# KiCad board Beacon_Multiboard_Stencil.kicad_pcb (continued)
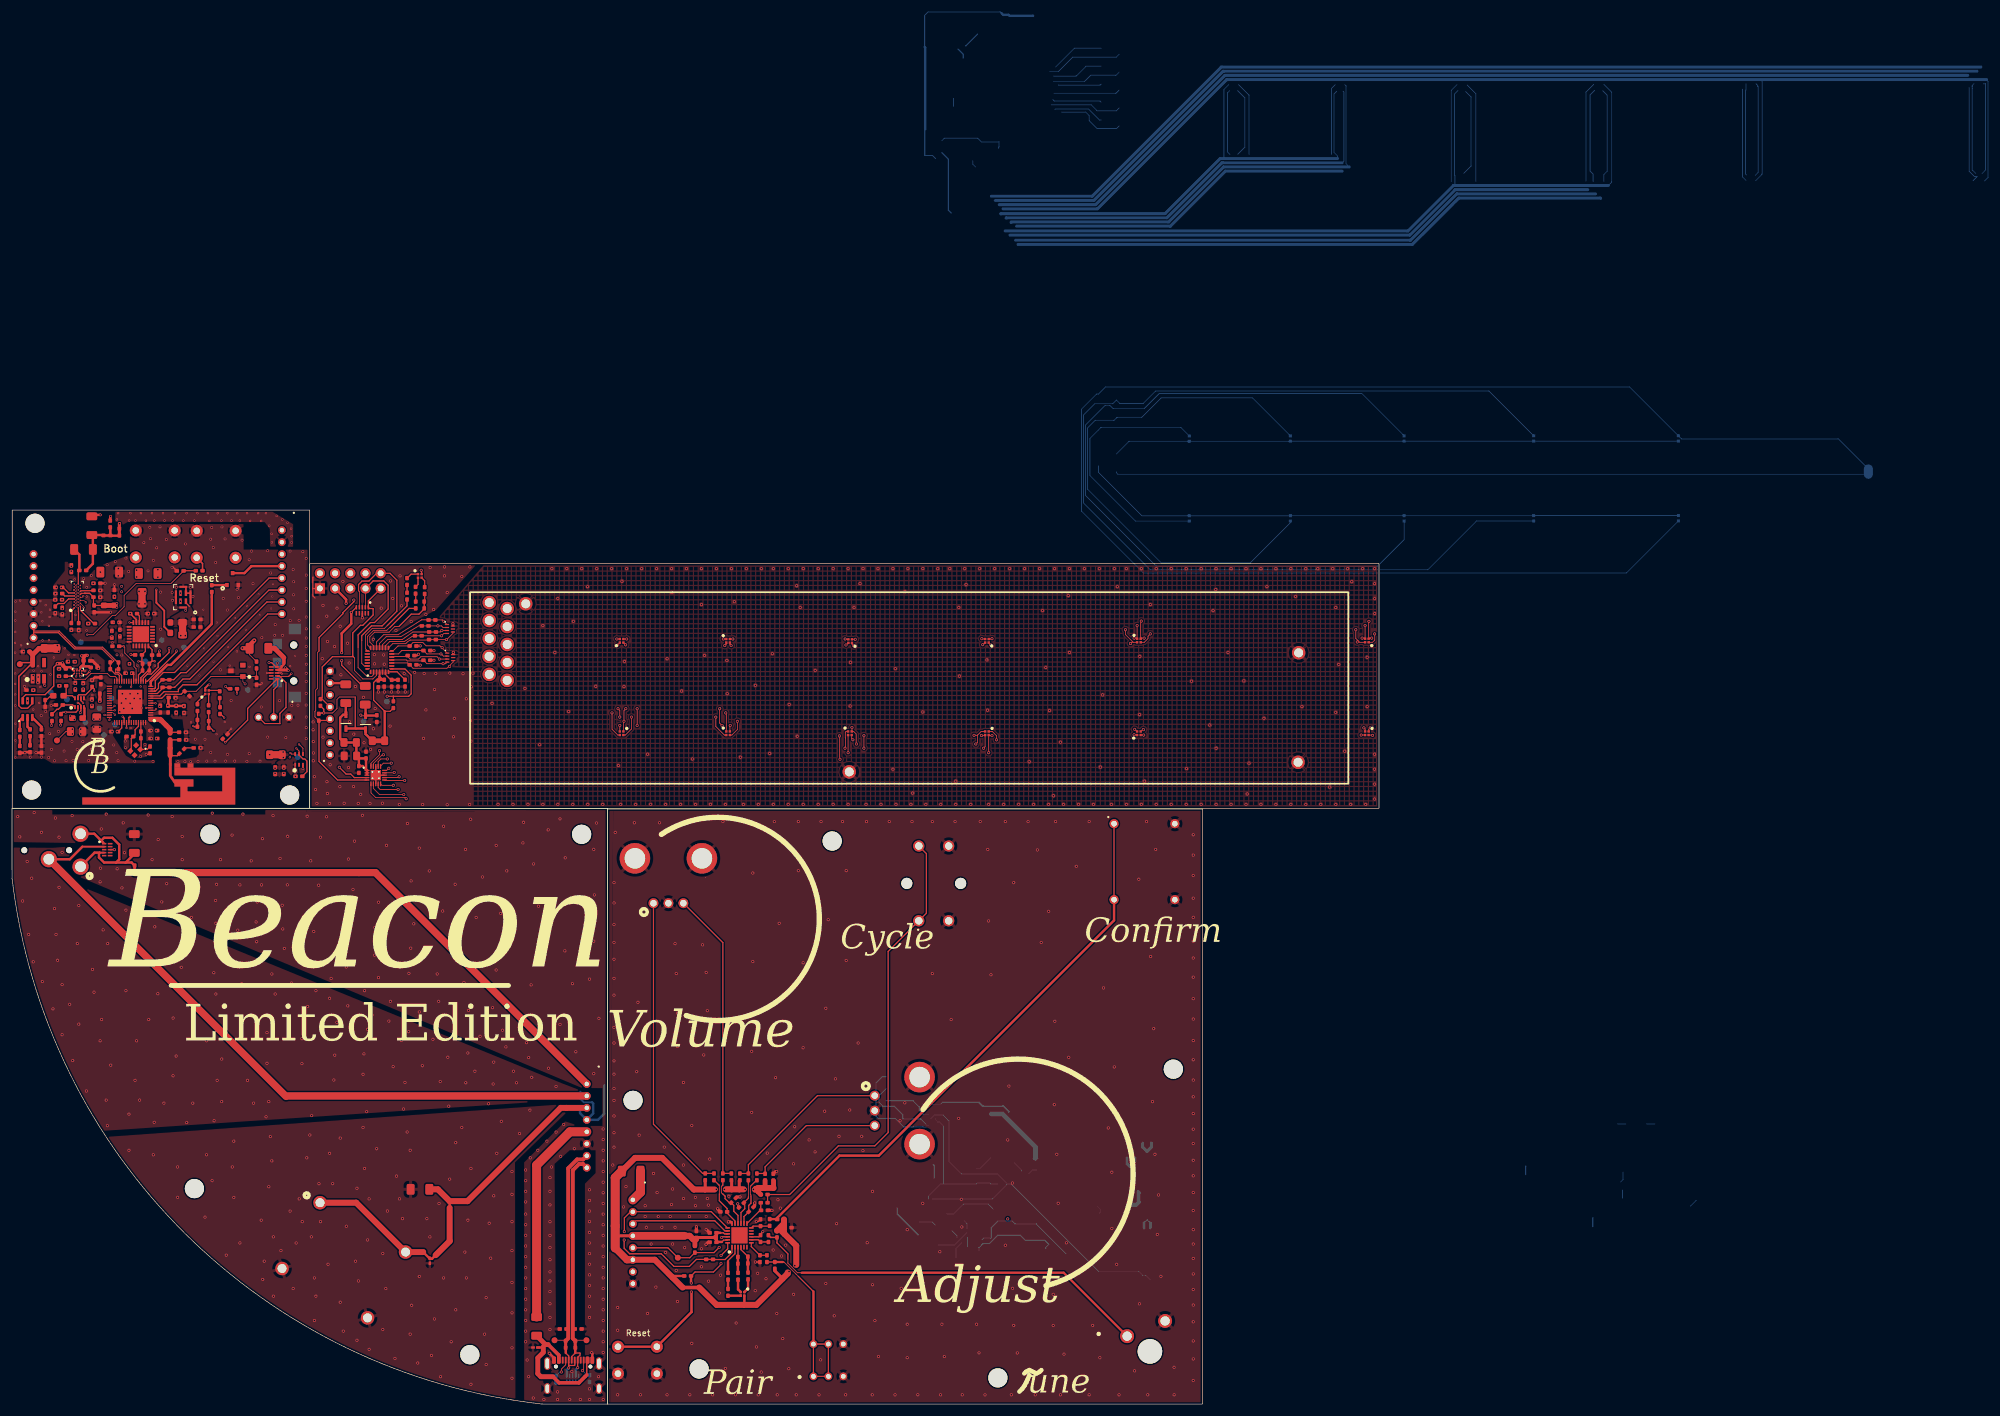
[diagram p0: board, top side]
## Placement (name value [footprint] x y rotation side) (continued)
TP705  I2S0_BCLK  [Testpoint_Pad_D1.0mm]  15.39 111.82 180 bottom
TP706  I2S0_MISO  [Testpoint_Pad_D1.0mm]  12.27 113.9 180 bottom
TP707  I2S0_MOSI  [Testpoint_Pad_D1.0mm]  14.63 116.29 180 bottom
TP708  I2C0_SCLK  [Testpoint_Pad_D1.0mm]  22.3 124.11 180 bottom
TP709  I2C0_SDA  [Testpoint_Pad_D1.0mm]  47.75 108.11 180 bottom
TP1001  IMU_INT  [Testpoint_Pad_D1.0mm]  21.13 128.48 180 bottom
TP1501  TACT_NINT  [Testpoint_Pad_D1.0mm]  111.28 24.45 0 top
U401  KTD20XXEUAC-TR  [UQFN-20-1EP_3x3mm_P0.4mm_EP1.7x1.7mm_ThermalVias]  60.8 105.08 0 top
U402  IQS525BLQNR  [QFN-28_4x4mm_P0.5mm]  61.42 124.37 90 top
U601  DA7212-01UM2  [DA721201UM2]  10.92 135.06 90 top
U701  ESP32-S3FH4R2  [QFN40P700X700X90-57N-D]  19.74 117.35 180 top
U1001  ICM-20689  [QFN50P400X400X95-25N-D]  21.54 128.65 180 top
U1101  LTR-303ALS  [LTR303ALS01]  47.98 107.73 90 top
U1501  KTS1622_EUAA  [TQFN44-24_4x4mm_P0.5mm_EP2.7x2.7mm]  121.58 28.2 90 top
Y701  40MHz-0706-4P  [XRCGB40M000F1S2FR0]  20.61 109.27 225 top

## Library data of the parts
C301-C303 C401-C413 C501-C509 C511-C514 C531-C534 C601-C619 C701-C711 C801-C804 C1001-C1005 C1101 C1102 C1201 C1202 C1501-C1503 = -: Description: Unpolarized capacitor, small symbol
C1401-C1408 = -: Description: Unpolarized capacitor, small symbol; Pagenumber: 12
D401-D412 D417 D801 D1501 = -: Description: RGB LED, 4 Pin
D413 D414 = -: Description: Diode, filled shape
D415 D504 D505 D507 = -: Description: ESD, Bidirectional, Low Capacitance, 5V
D416 D418 = -: Description: ESD Suppression, Unidirectional, 6 Channel, 0.27 pF
D501 = -: Description: RGB LED, 6 Pin
D502 = -: Description: ESD Suppression, 1 Channel, 5V5, Bidirectional, 4.5 pF
D503 = -: Description: Zener diode, small symbol
D506 = -: Description: ESD Suppression, 1 Channel, Bidirectional, 3V3, 12 pF
F201 F301 F401 F402 F501 F502 = -: Description: Fuse, small symbol
J101 J102 J104-J106 = -: Description: Generic connector, single row, 01x08, script generated
J404 = -: Description: Generic connector, double row, 02x05, odd/even pin numbering scheme (row 1 odd numbers, row 2 even numbers), script generated (kicad-library-utils/schlib/autogen/connector/)
J501 J509 = -: Description: Generic connector, single row, 01x03, script generated
J510 = -: Description: USB 2.0-only Type-C Receptacle connector
J513 = -: Description: Generic connector, single row, 01x02, script generated
L501 L701 L801 L802 = -: Description: Inductor
MK1201 = -: Description: MEMS Microphone, I2C
PS501 = -: Description: DC/DC Buck Converter, 600-mA, 3 to 17 V, Low IQ
PS502 = -: Description: Battery Controller, Power Path, I2C Controlled
PS503 = -: Description: 2.5V Fixed LDO, 300 mA, 5 pin SOT23
R401-R403 R405-R409 R501-R513 R515-R518 R701 R702 R801-R805 R1001 R1101 R1201 R1301 R1501-R1506 = -: Description: Resistor, small symbol
R1401-R1416 = -: Description: Resistor, small symbol; Pagenumber: 12
SW501 = -: Description: Switch, single pole double throw
SW801 SW802 SW1501 = -: Description: Push button switch, generic, two pins
SW1401-SW1404 = -: Description: Push button switch, generic, two pins; Pagenumber: 12
SW1405 SW1406 = -: Pagenumber: 12
U401 = -: Description: LED Driver, 36 Channels, Multiplexing, I2C
U402 = -: Description: Capacitive Touch Controller, 25 Channel,  QFN28
U601 = -: Description: Audio Codec, Analog Input, DSP, Headphone Amplifier
U701 = -: Description: RF MCU, 45 GPIO, 4 MB Flash, 2 MB PSRAM
U1001 = -: Description: MEMS IMU, 3-Axis ACC, 3-Axis Gyro
U1101 = -: Description: Ambient Light Sensor, I2C
U1501 = -: Description: IO Extender, 16 IO, I2C

## Footprints (pads in the part's own frame, mm; a bottom-side part is the same pattern mirrored in y, then rotated)
2.4GHz_Inverted_F_Antenna
  rect 0.46x0.46 smd: 1(-14.72,-6.68)
  rect 1x0.74 smd: 2(-18.1,-6.54) 2(-15.9,-6.54)
0201_0804Metric_Handsolder
  rrect 0.458x0.36 smd: (-0.442,-0.006) (0.423,-0.006)
  rrect 0.635x0.4 smd: 1(-0.416,-0.006) 2(0.399,-0.006)
0402_1005Metric_Handsolder
  rrect 0.735x0.62 smd: 1(-0.568,0) 2(0.568,0)
0402_CUT-N-JUMP
  rrect 0.735x0.62 smd: 1(-0.593,0.025) 2(0.542,0.025)
0603_1608Metric_Handsolder
  rrect 1.075x0.95 smd: 1(-0.863,-0.02) 2(0.863,-0.02)
0603_CUT-N-JUMP
  rrect 1.075x0.95 smd: 1(-0.875,0) 2(0.85,0)
0805_2012Metric_Handsolder
  rrect 1.175x1.45 smd: 1(-1.058,-0.02) 2(1.018,-0.02)
0805_CUT-N-JUMP
  rrect 1.175x1.45 smd: 1(-1.038,0) 2(1.038,0)
1206_3216Metric_Handsolder
  rrect 1.325x1.8 smd: 1(-1.583,0) 2(1.542,0)
A12AP
  round 1.3 hole 0.8: 1(-1.1,2.45) 2(-1.1,-0.09) 3(-1.1,-2.63)
B3J1100
  round 1.85 hole 1.85 unplated: (-2.25,4.15) (-2.25,-4.85)
  round 1.875 hole 1.25: 1(-8.5,2.15) 1(4,2.15) 2(-8.5,-2.85) 2(4,-2.85)
BGA8C40P2X4_104X159X50
  round 0.23 smd: A1(-0.2,0.6) A2(0.2,0.6) B1(-0.2,0.2) B2(0.2,0.2) C1(-0.2,-0.2) C2(0.2,-0.2) D1(-0.2,-0.6) D2(0.2,-0.6)
CLYBA-FKA-CFHHKL9BBB7a363
  rrect 1.2x0.45 smd: 1(-1.4,0.8) 2(-1.4,0) 3(-1.4,-0.8) 4(1.4,-0.8) 5(1.4,0) 6(1.4,0.8)
CONN_1x08_P2.00mm_Horizontal
  round 1.3 hole 0.75: 1(-7,0) 2(-5,0) 3(-3,0) 4(-1,0) 5(1,0) 6(3,0) 7(5,0) 8(7,0)
DA721201UM2
  round 0.27 smd: A1(-2,0.51) A3(-1.5,0.51) A5(-1,0.51) A7(-0.5,0.51) A9(0,0.51) A11(0.5,0.51) A13(1,0.51) A15(1.5,0.51) A17(2,0.51) B2(-1.75,0.17) B4(-1.25,0.17) B6(-0.75,0.17) B8(-0.25,0.17) B10(0.25,0.17) B12(0.75,0.17) B14(1.25,0.17) B16(1.75,0.17) C1(-2,-0.17) C3(-1.5,-0.17) C5(-1,-0.17) C7(-0.5,-0.17) C9(0,-0.17) C11(0.5,-0.17) C13(1,-0.17) C15(1.5,-0.17) C17(2,-0.17) D2(-1.75,-0.51) D4(-1.25,-0.51) D6(-0.75,-0.51) D8(-0.25,-0.51) D10(0.25,-0.51) D12(0.75,-0.51) D14(1.25,-0.51) D16(1.75,-0.51)
JF15CP2
  round 1.524 hole 0.95: 1(-5.08,6.35) 1(-5.08,-6.35) 2(5.08,6.35) 2(5.08,-6.35)
LEAF_17461421
  round 1.2 hole 1.2 unplated: (-3,0.625) (3,0.625)
  rect 1.8x1.5 smd: 1(-3.2,-2.125) 2(0,-2.125) 3(3.2,-2.125)
  rect 1.8x2.1 smd: 3(-5.7,0.775) 3(5.7,0.775)
LTR303ALS01
  rect 0.65x0.3 smd: 1(-0.9,0.65) 2(-0.9,0) 3(-0.9,-0.65) 4(0.9,-0.65) 5(0.9,0) 6(0.9,0.65)
MHPS2283N
  round 1.3 hole 0.8: 1(-2.5,2.5) 1(-2.5,-2.9) 1(0,2.5) 1(0,-2.9) 2(2.5,2.5) 2(2.5,-2.9)
Mounting_Hole_M3
  round 3.2 hole 3.2 unplated: (-0.04,-0.041)
MP34DT05TRA
  rect 0.4x0.95 smd: 1(-0.45,0.675) 2(-0.45,-0.675) 3(0.45,-0.675) 4(0.45,0.675)
  rect 0.35x2.3 smd: 5(-1.225,0) 5(1.225,0)
  rect 1.3x0.35 smd: 5(0,1.725) 5(0,-1.725)
MX1AC1NN
  round 4.1 hole 4.1 unplated: (0,0)
  round 2.324 hole 1.55: 1(-3.81,2.54) 2(2.54,5.08)
NYS2162U
  round 2.25 hole 1.5: 1(-8.4,6.25) 1(8.1,6.25) 2(-8.4,-6.45) 2(8.1,-6.45)
PAD_SMALL
  rrect 0.6x0.6 smd: 1(0,0)
PEC11R4215FN0024
  round 1.65 hole 1.1: A(-2.5,-7.55) B(2.5,-7.55) C(0,-7.55)
  round 5.1 hole 3.44: C(-5.6,-0.05) C(5.6,-0.05)
PESD4USB5BTBSX
  rect 0.25x0.725 smd: 1(-1,-0.487) 2(-0.5,-0.487) 3(0,-0.487) 4(0.5,-0.487) 5(1,-0.487)
  rect 0.25x0.775 smd: 6(1,0.512) 7(0.5,0.512) 8(0,0.512) 9(-0.5,0.512) 10(-1,0.512)
PinHeader_2x05_P2.54
  rect 1.7x1.7 hole 1: 1(-1.27,5.23)
  oval 1.7x1.7 hole 1: 2(1.27,5.23) 3(-1.27,2.69) 4(1.27,2.69) 5(-1.27,0.15) 6(1.27,0.15) 7(-1.27,-2.39) 8(1.27,-2.39) 9(-1.27,-4.93) 10(1.27,-4.93)
Plated_Hole_D1.5mm
  round 2.25 hole 1.5: 1(0,0)
PUSB3TB6AZ
  rect 0.7x0.2 smd: 1(-0.5,0.75) 2(-0.5,0.25) 3(-0.5,-0.25) 4(-0.5,-0.75) 5(0.5,-0.5) 6(0.5,0) 7(0.5,0.5)
QFN40P700X700X90-57N-D
  rect 0.85x0.2 smd: 1(-3.45,2.6) 2(-3.45,2.2) 3(-3.45,1.8) 4(-3.45,1.4) 5(-3.45,1) 6(-3.45,0.6) 7(-3.45,0.2) 8(-3.45,-0.2) 9(-3.45,-0.6) 10(-3.45,-1) 11(-3.45,-1.4) 12(-3.45,-1.8) 13(-3.45,-2.2) 14(-3.45,-2.6) 29(3.45,-2.6) 30(3.45,-2.2) 31(3.45,-1.8) 32(3.45,-1.4) 33(3.45,-1) 34(3.45,-0.6) 35(3.45,-0.2) 36(3.45,0.2) 37(3.45,0.6) 38(3.45,1) 39(3.45,1.4) 40(3.45,1.8) 41(3.45,2.2) 42(3.45,2.6)
  rect 0.2x0.85 smd: 15(-2.6,-3.45) 16(-2.2,-3.45) 17(-1.8,-3.45) 18(-1.4,-3.45) 19(-1,-3.45) 20(-0.6,-3.45) 21(-0.2,-3.45) 22(0.2,-3.45) 23(0.6,-3.45) 24(1,-3.45) 25(1.4,-3.45) 26(1.8,-3.45) 27(2.2,-3.45) 28(2.6,-3.45) 43(2.6,3.45) 44(2.2,3.45) 45(1.8,3.45) 46(1.4,3.45) 47(1,3.45) 48(0.6,3.45) 49(0.2,3.45) 50(-0.2,3.45) 51(-0.6,3.45) 52(-1,3.45) 53(-1.4,3.45) 54(-1.8,3.45) 55(-2.2,3.45) 56(-2.6,3.45)
  rect 4.05x4.05 smd: 57(0,0)
QFN50P400X400X95-25N-D
  rect 0.8x0.3 smd: 1(-1.95,1.25) 2(-1.95,0.75) 3(-1.95,0.25) 4(-1.95,-0.25) 5(-1.95,-0.75) 6(-1.95,-1.25) 13(1.95,-1.25) 14(1.95,-0.75) 15(1.95,-0.25) 16(1.95,0.25) 17(1.95,0.75) 18(1.95,1.25)
  rect 0.3x0.8 smd: 7(-1.25,-1.95) 8(-0.75,-1.95) 9(-0.25,-1.95) 10(0.25,-1.95) 11(0.75,-1.95) 12(1.25,-1.95) 19(1.25,1.95) 20(0.75,1.95) 21(0.25,1.95) 22(-0.25,1.95) 23(-0.75,1.95) 24(-1.25,1.95)
  rect 2.75x2.65 smd: EP(0,0)
QFN-28_4x4mm_P0.5mm
  custom 0.755x0.3 smd: 1(-1.99,1.49) 7(-1.99,-1.5) 15(1.99,-1.495) 21(1.99,1.495)
  rrect 0.875x0.3 smd: 2(-2.04,0.995) 3(-2.04,0.495) 4(-2.04,-0.005) 5(-2.04,-0.505) 6(-2.04,-1.005) 16(2.04,-1) 17(2.04,-0.5) 18(2.04,0) 19(2.04,0.5) 20(2.04,1)
  custom 0.3x0.745 smd: 8(-1.515,-1.985)
  rrect 0.3x0.875 smd: 9(-1.01,-2.04) 10(-0.51,-2.04) 11(-0.01,-2.04) 12(0.49,-2.04) 13(0.99,-2.04) 23(0.99,2.04) 24(0.49,2.04) 25(-0.01,2.04) 26(-0.51,2.04) 27(-1.01,2.04)
  custom 0.3x0.755 smd: 14(1.495,-1.99) 22(1.495,1.99) 28(-1.505,1.99)
SOD2512X115N
  rect 1.1x0.5 smd: 1(-1.15,0) 2(1.15,0)
SOT23-5_Handsoldering
  rect 1.56x0.65 smd: 1(-1.35,0.95) 2(-1.35,0) 3(-1.35,-0.95) 4(1.35,-0.95) 5(1.35,0.95)
SOT23_Handsolder
  rect 0.9x0.8 smd: 1(-1,0.95) 2(1,0) 3(-1,-0.95)
SOT-583-8
  rrect 0.67x0.3 smd: 1(-0.74,0.75) 2(-0.74,0.25) 3(-0.74,-0.25) 4(-0.74,-0.75) 5(0.74,-0.75) 6(0.74,-0.25) 7(0.74,0.25) 8(0.74,0.75)
STX3000
  round 1 hole 1 unplated: (-4.15,0) (3.35,0)
  round 2.704 hole 1.8: 1(5.25,-2.75) 2(-0.05,-1.5) 3(5.25,2.75)
SW_PUSH_6mm
  round 2 hole 1.1: 1(0,0) 1(6.5,0) 2(0,-4.5) 2(6.5,-4.5)
TBAT54CLM
  rect 0.7x0.6 smd: D(1.1,-0.1) G(-0.9,0.85) S(-0.9,-1.05)
Testpoint_Pad_D1.0mm
  round 1 smd: 1(0,0)
TOUCH_SENSE
  rect 0.5x0.5 smd: 1(-0.45,0) 2(0.45,0)
TQFN44-24_4x4mm_P0.5mm_EP2.7x2.7mm
  rrect 1.09x1.05 smd: (-0.675,0.65) (-0.675,-0.65) (0.675,0.65) (0.675,-0.65)
  rrect 0.8x0.27 smd: 1(-1.975,1.25) 2(-1.975,0.75) 3(-1.975,0.25) 4(-1.975,-0.25) 5(-1.975,-0.75) 6(-1.975,-1.25) 13(1.975,-1.25) 14(1.975,-0.75) 15(1.975,-0.25) 16(1.975,0.25) 17(1.975,0.75) 18(1.975,1.25)
  rrect 0.27x0.8 smd: 7(-1.25,-1.975) 8(-0.75,-1.975) 9(-0.25,-1.975) 10(0.25,-1.975) 11(0.75,-1.975) 12(1.25,-1.975) 19(1.25,1.975) 20(0.75,1.975) 21(0.25,1.975) 22(-0.25,1.975) 23(-0.75,1.975) 24(-1.25,1.975)
  rect 2.7x2.7 smd: EP(0,0)
UHD1110FKACL1A13r3q1BBQFMF3
  rect 0.4x0.4 smd: 1(-0.3,0.3) 2(-0.3,-0.3) 3(0.3,-0.3) 4(0.3,0.3)
UQFN-20-1EP_3x3mm_P0.4mm_EP1.7x1.7mm_ThermalVias
  rrect 0.8x0.8 smd: (-0.398,0.397) (-0.398,-0.403) (0.402,0.397) (0.402,-0.403)
  rrect 0.81x0.22 smd: 1(-1.473,0.807) 2(-1.473,0.407) 3(-1.473,0.007) 4(-1.473,-0.393) 5(-1.473,-0.793) 11(1.452,-0.793) 12(1.452,-0.393) 13(1.452,0.007) 14(1.452,0.407) 15(1.452,0.807)
  rrect 0.22x0.81 smd: 6(-0.808,-1.428) 7(-0.408,-1.428) 8(-0.008,-1.428) 9(0.392,-1.428) 10(0.792,-1.428) 16(0.792,1.472) 17(0.392,1.472) 18(-0.008,1.472) 19(-0.408,1.472) 20(-0.808,1.472)
  round 0.5 hole 0.3: EP(-0.559,0.559) EP(-0.559,-0.508) EP(0.508,0.559) EP(0.508,-0.508)
  rect 1.7x1.7 smd: EP(-0.01,0.022)
  rect 1.7x1.7 smd far side: EP(-0.01,0.022)
USB4105-GF-A
  round 0.65 hole 0.65 unplated: (-2.89,2.325) (2.89,2.325)
  rrect 0.6x1.15 smd: A1(-3.2,3.4) A4(-2.4,3.4) A9(2.4,3.4) A12(3.2,3.4) B1(3.2,3.4) B4(2.4,3.4) B9(-2.4,3.4) B12(-3.2,3.4)
  rrect 0.3x1.15 smd: A5(-1.25,3.4) A6(-0.25,3.4) A7(0.25,3.4) A8(1.25,3.4) B5(1.75,3.4) B6(0.75,3.4) B7(-0.75,3.4) B8(-1.75,3.4)
  oval 1x2.1 hole 0.6x1.7: S1(-4.32,2.825) S1(4.32,2.825)
  oval 1x1.8 hole 0.6x1.4: S1(-4.32,-1.355) S1(4.32,-1.355)
XRCGB40M000F1S2FR0
  rect 0.75x0.7 smd: 1(-0.3,0.15) 2(-0.3,-0.15) 2(0.3,0.15) 3(0.3,-0.15)

## Nets
/Audio_Board/+5V: F502.2 J105.5
/Fret_Assembly/+3V3: C303.2 C401.2 C402.2 D413.2 F401.2 J401.1 J401.2 U401.1 U401.2 U401.3
/Fret_Assembly/+3V3_DEBUG: D415.5 F402.1 J404.3
/Fret_Assembly/+3V3_EXT: F401.1 J102.7
/Fret_Assembly/+3V3_PROTECT: C403.2 C405.2 D413.1 D414.1 D417.4 J408.1 J408.2 R401.2 R402.2 R409.1 U402.4
/Main_Board/3V3_PG: C801.2 PS501.2 PS503.3 R505.1 R804.2 TP504.1
/Main_Board/+2V5: C534.2 C604.2 C605.2 C606.2 D501.4 J603.1 J603.2 PS503.5 R1201.1 TP509.1 U601.A11 U601.B6 U601.B14
/Main_Board/+3V3: C502.2 C503.2 C512.2 C533.2 C601.2 C602.2 C603.2 C701.2 C702.2 C703.2 C704.2 C705.2 C706.2 C708.2 C709.2 C1001.2 C1002.2 C1003.2 C1005.2 C1101.2 C1102.2 C1201.2 C1202.2 D501.5 D801.4 F201.2 J601.1 J601.2 J701.1 J701.2 J1001.1 J1001.2 J1101.1 J1101.2 J1201.1 J1201.2 L501.2 L701.1 MK1201.1 PS501.3 PS503.1 R501.2 R505.2 R507.2 R701.2 R702.2 R1001.1 R1101.2 R1201.2 TP501.1 U601.D10 U701.20 U701.29 U701.46 U701.55 U701.56 U1001.8 U1001.9 U1001.13 U1101.1
/Main_Board/+3V3_EXT: F201.1 J101.3
/Main_Board/+5V: C504.2 D501.6 J106.4 PS502.A2
/Main_Board/MCU/VDD3P3: C707.2 L701.2 U701.2 U701.3
/Main_Board/Regulators/3V3_EN: C507.1 D507.1 PS501.7 R508.2 SW501.2
/Tactile_Board/+3V3: C301.2 C302.2 C1501.2 C1502.2 C1503.2 D1501.4 F301.2 J104.4 J104.6 R1401.1 R1402.1 R1403.1 R1404.1 R1409.1 R1410.2 R1411.1 R1412.2 R1501.2 R1502.2 U1501.21 U1501.23
/Tactile_Board/+3V3_EXT: F301.1 J104.1
GND: AE801.2 C301.1 C302.1 C303.1 C401.1 C402.1 C403.1 C404.1 C405.1 C406.1 C407.1 C408.1 C409.1 C410.1 C411.1 C412.1 C413.1 C501.1 C502.1 C503.1 C504.1 C505.1 C506.1 C507.2 C508.1 C509.2 C511.1 C512.1 C513.1 C514.2 C531.1 C532.1 C533.1 C534.1 C601.1 C602.1 C603.1 C604.1 C605.1 C606.1 C609.2 C610.2 C611.2 C612.2 C614.1 C615.1 C616.1 C617.1 C618.1 C619.1 C701.1 C702.1 C703.1 C704.1 C705.1 C706.1 C707.1 C708.1 C709.1 C710.1 C711.1 C801.1 C802.1 C803.1 C804.1 C1001.1 C1002.1 C1003.1 C1004.1 C1005.1 C1101.1 C1102.1 C1201.1 C1202.1 C1401.1 C1402.1 C1403.1 C1404.1 C1405.1 C1406.1 C1407.1 C1408.1 C1501.1 C1502.1 C1503.1 D415.3 D415.8 D416.7 D418.7 D502.2 D503.2 D504.3 D504.8 D505.3 D505.8 D506.2 D507.3 D507.8 H425.1 H426.1 H427.1 H428.1 J101.2 J102.8 J104.8 J105.4 J105.6 J106.3 J106.5 J404.1 J410.1 J410.2 J501.3 J502.1 J502.2 J510.A1 J510.A12 J510.B1 J510.B12 J510.S1 J513.2 MK1201.2 MK1201.5 PS501.5 PS502.D2 PS503.2 Q1301.S R503.1 R504.1 R508.1 R510.1 R511.1 R515.1 R516.1 R517.1 R518.1 SW501.1 SW801.2 SW802.2 SW1401.2 SW1402.2 SW1403.2 SW1404.2 SW1405.C SW1406.C SW1501.2 U401.8 U401.13 U401.18 U401.EP U402.5 U601.A13 U601.B2 U601.B10 U701.57 U1001.11 U1001.18 U1101.3 U1501.9 U1501.18
/Audio_Board/AUDIO_GND_SEN: D504.2 J105.2 J509.2
/Audio_Board/AUDIO_HP: C509.1 D504.1 D504.4 J105.1 J503.1 J503.2 J509.1 J509.3
/Audio_Board/AUDIO_SP: C514.1 D506.1 J105.3 J505.1 J505.2 J513.1
/Audio_Board/USB_DN: C531.2 D505.1 J105.7 J508.1 J508.2 J510.A7 J510.B7 TP507.1
/Audio_Board/USB_DP: C532.2 D505.4 J105.8 J510.A6 J510.B6 J511.1 J511.2 TP508.1
/Fret_Assembly/BLED: R408.1 U402.22
/Fret_Assembly/GLED: R406.1 U402.21
/Fret_Assembly/I2C1_SCLK: D415.1 J102.5 J404.9 R401.1 U401.4 U402.3
/Fret_Assembly/I2C1_SDA: D415.2 J102.4 J404.7 R402.1 U401.5 U402.2
/Fret_Assembly/LEDA1: D401.3 D402.2 D403.1 D404.4 U401.6
/Fret_Assembly/LEDA2: D401.2 D402.1 D403.4 D404.3 U401.7
/Fret_Assembly/LEDA3: D401.1 D402.4 D403.3 D404.2 U401.9
/Fret_Assembly/LEDA4: D401.4 D402.3 D403.2 D404.1 U401.10
/Fret_Assembly/LEDB1: D405.3 D406.2 D407.1 D408.4 U401.11
/Fret_Assembly/LEDB2: D405.2 D406.1 D407.4 D408.3 U401.12
/Fret_Assembly/LEDB3: D405.1 D406.4 D407.3 D408.2 U401.14
/Fret_Assembly/LEDB4: D405.4 D406.3 D407.2 D408.1 U401.15
/Fret_Assembly/LEDC1: D409.3 D410.2 D411.1 D412.4 U401.16
/Fret_Assembly/LEDC2: D409.2 D410.1 D411.4 D412.3 U401.17
/Fret_Assembly/LEDC3: D409.1 D410.4 D411.3 D412.2 U401.19
/Fret_Assembly/LEDC4: D409.4 D410.3 D411.2 D412.1 U401.20
/Fret_Assembly/RLED: J409.1 J409.2 R403.1 U402.20
/Fret_Assembly/RX0: C406.2 D418.5 H411.1 U402.10
/Fret_Assembly/RX1: C410.2 D418.4 H413.1 U402.11
/Fret_Assembly/RX2: C411.2 D418.3 H415.1 U402.12
/Fret_Assembly/RX3: C412.2 D418.2 H417.1 U402.13
/Fret_Assembly/RX4: C413.2 D418.1 H423.1 U402.14
/Fret_Assembly/Touch_Board/RX0: C1603.1 C1603.2 C1604.1 C1604.2 C1605.1 C1605.2 C1606.1 C1606.2 C1607.1 C1607.2 C1609.1 C1609.2 C1610.1 C1610.2 C1611.1 C1611.2 C1612.1 C1612.2 C1613.1 C1613.2 C1618.1 C1618.2
/Fret_Assembly/TOUCH_INT: J102.6 R409.2 TP401.1 U402.8
/Fret_Assembly/TOUCH_PROGM: D415.4 J404.10 U402.27
/Fret_Assembly/TX0: D416.1 H401.1 J402.1 J402.2 U402.19
/Fret_Assembly/TX1: D416.2 H402.1 J403.1 J403.2 U402.18
/Fret_Assembly/TX2: D416.3 H403.1 J405.1 J405.2 U402.17
/Fret_Assembly/TX3: D416.4 H404.1 J406.1 J406.2 U402.16
/Fret_Assembly/TX4: D416.5 H405.1 J407.1 J407.2 U402.15
/Main_Board/AMB_INT: R1101.1 U701.7 U1101.5
/Main_Board/AUDIO_GND_SEN: J106.7 U601.B4
/Main_Board/AUDIO_HP: J106.8 U601.A3
/Main_Board/AUDIO_PU: C607.2 C608.2 C609.1 C610.1 J101.1 J604.1 J604.2 J605.1 J605.2
/Main_Board/AUDIO_SP: J106.6 U601.B12
/Main_Board/BAT_MEASURE: C508.2 D503.1 R509.1 R510.2 TP505.1 U701.9
/Main_Board/BAT_NINT: PS502.A1 R507.1 U701.27
/Main_Board/I2C0_SCLK: J703.1 J703.2 PS502.B1 R701.1 TP708.1 U601.D8 U701.18 U1001.23 U1101.4
/Main_Board/I2C0_SDA: J704.1 J704.2 PS502.C1 R702.1 TP709.1 U601.C9 U701.17 U1001.24 U1101.6
/Main_Board/I2C1_BCLK: MK1201.3 TP702.1 U701.15
/Main_Board/I2C1_MISO: MK1201.4 TP704.1 U701.16
/Main_Board/I2C1_SCLK: J101.6 J705.1 J705.2 U701.12
/Main_Board/I2C1_SDA: J101.7 J706.1 J706.2 U701.11
/Main_Board/I2S0_BCLK: TP705.1 U601.D4 U701.42
/Main_Board/I2S0_MCLK: TP701.1 U601.C11 U701.38
/Main_Board/I2S0_MISO: TP706.1 U601.C7 U701.39
/Main_Board/I2S0_MOSI: TP707.1 U601.C5 U701.41
/Main_Board/I2S0_WCLK: TP703.1 U601.D6 U701.40
/Main_Board/IMU_INT: R1001.2 TP1001.1 U701.19 U1001.12
/Main_Board/MCU/uC_XTAL_N: C711.2 U701.53 Y701.3
/Main_Board/MCU/uC_XTAL_P: C710.2 J702.1 J702.2 U701.54 Y701.1
/Main_Board/Regulators/BAT_P: C506.2 C513.2 F501.2 PS502.C2 R509.2 TP503.1
/Main_Board/Regulators/BAT_TS: D507.5 J501.2 PS502.D1
/Main_Board/Regulators/MODE: PS501.8 R502.1 R504.2
/Main_Board/Regulators/SYS_PWR: C501.2 C505.2 C511.2 PS501.6 PS502.B2 R502.2 R506.2 TP502.1
/Main_Board/Regulators/VSET: PS501.1 R501.1 R503.2
/Main_Board/STAT_B: J802.1 J802.2 R805.1 U701.48
/Main_Board/STAT_G: J801.1 J801.2 R803.1 U701.49
/Main_Board/STAT_R: R802.1 U701.47
/Main_Board/TACT_NINT: J101.8 U701.10
/Main_Board/TACT_VIBRT: R1301.1 U701.14
/Main_Board/TACT_VIBRT_EXT: J101.4 Q1301.D
/Main_Board/TOUCH_INT: J101.5 U701.13
/Main_Board/uC_BOOT: SW801.1 U701.5
/Main_Board/uC_EN: R804.1 SW802.1 U701.4
/Main_Board/uC_LNA: C803.2 J804.1 J804.2 L801.2 U701.1
/Main_Board/USB_DN: J106.2 J1609.1 J1609.2 U701.25
/Main_Board/USB_DP: J106.1 J1610.1 J1610.2 U701.26
/Tactile_Board/I2C1_SCLK: J104.2 J1501.1 J1501.2 U1501.1 U1501.19
/Tactile_Board/I2C1_SDA: J104.3 U1501.20
/Tactile_Board/IO_Expander/TACT_B: J1503.1 J1503.2 R1506.1 U1501.4
/Tactile_Board/IO_Expander/TACT_CONFIRM: C1402.2 R1406.2 U1501.12
/Tactile_Board/IO_Expander/TACT_CYCLE: C1401.2 R1405.2 U1501.13
/Tactile_Board/IO_Expander/TACT_EQZR_A: C1407.2 R1415.1 U1501.15
/Tactile_Board/IO_Expander/TACT_EQZR_B: C1408.2 R1416.1 U1501.14
/Tactile_Board/IO_Expander/TACT_G: J1502.1 J1502.2 R1505.1 U1501.3
/Tactile_Board/IO_Expander/TACT_PAIR: C1403.2 R1407.2 U1501.7
/Tactile_Board/IO_Expander/TACT_R: R1504.1 U1501.2
/Tactile_Board/IO_Expander/TACT_TUNE: C1404.2 R1408.2 U1501.8
/Tactile_Board/IO_Expander/TACT_VOLUME_A: C1405.2 R1413.1 U1501.17
/Tactile_Board/IO_Expander/TACT_VOLUME_B: C1406.2 R1414.1 U1501.16
/Tactile_Board/TACT_NINT: J104.5 R1501.1 TP1501.1 U1501.22
Net-(AE801-Pad1): AE801.1 C802.2 J803.1 J803.2 L801.1 L802.2
Net-(C804-Pad2): C804.2 L802.1
Net-(D414-A): C404.2 D414.2 F402.2 TP403.1
Net-(D417-Pad1): D417.1 R407.2
Net-(D417-Pad2): D417.2 R405.2
Net-(D417-Pad3): D417.3 R403.2
Net-(D501-Pad1): D501.1 R513.2
Net-(D501-Pad2): D501.2 R512.2
Net-(D501-Pad3): D501.3 R511.2
Net-(D502-Pad1): D502.1 F502.1 J510.A4 J510.A9 J510.B4 J510.B9
Net-(D801-Pad1): D801.1 R805.2
Net-(D801-Pad2): D801.2 R803.2
Net-(D801-Pad3): D801.3 R801.2
Net-(D1501-Pad1): D1501.1 R1506.2
Net-(D1501-Pad2): D1501.2 R1505.2
Net-(D1501-Pad3): D1501.3 R1503.2
Net-(J501-Pin_1): D507.4 F501.1 J501.1
Net-(J510-CC1): J510.A5 R517.2
Net-(J510-CC2): J510.B5 R518.2
Net-(PS501-SW): L501.1 PS501.4
Net-(Q1301-PadG): Q1301.G R1301.2
Net-(R405-Pad1): R405.1 R406.2
Net-(R407-Pad1): R407.1 R408.2
Net-(R512-Pad1): R512.1 R515.2
Net-(R513-Pad1): R513.1 R516.2
Net-(R801-Pad1): R801.1 R802.2
Net-(R1401-Pad2): R1401.2 R1405.1 SW1401.1
Net-(R1402-Pad2): R1402.2 R1406.1 SW1402.1
Net-(R1403-Pad2): R1403.2 R1407.1 SW1403.1
Net-(R1404-Pad2): R1404.2 R1408.1 SW1404.1
Net-(R1409-Pad2): R1409.2 R1413.2 SW1405.A
Net-(R1410-Pad1): R1410.1 R1414.2 SW1405.B
Net-(R1411-Pad2): R1411.2 R1415.2 SW1406.A
Net-(R1412-Pad1): R1412.1 R1416.2 SW1406.B
Net-(R1503-Pad1): R1503.1 R1504.2
Net-(SW501-C): D507.2 R506.1 SW501.3
Net-(U402-NRST): C409.2 U402.7
Net-(U402-VREG): C407.2 C408.2 U402.6
Net-(U601-CPF_N): C613.1 U601.C3
Net-(U601-CPF_P): C613.2 U601.D2
Net-(U601-CPR_N): C618.2 U601.C1
Net-(U601-CPR_P): C617.2 U601.A1
Net-(U601-DACREF): C614.2 U601.A7
Net-(U601-MIC1_N): C611.1 C612.1 U601.B16
Net-(U601-MIC1_P): C607.1 C608.1 U601.C17
Net-(U601-VDIG): C619.2 U601.D12
Net-(U601-VMID): C615.2 U601.A9
Net-(U601-VREF): C616.2 U601.B8
Net-(U701-XTAL_32K_P): J708.1 U701.21
Net-(U1001-REGOUT): C1004.2 U1001.10
Net-(U1501-NRST): R1502.1 SW1501.1 U1501.24

Pads without a net: D415 6 7 9 10; D416 6; D418 6; D503 3; D504 5 6 7 9 10; D505 2 5 6 7 9 10; D507 6 7 9 10; J102 1 2 3; J104 7; J404 2 4 5 6 8; J510 A8 B8; PS503 4; U402 1 9 23 24 25 26 28; U601 A5 A15 A17 C13 C15 D14 D16; U701 6 8 22 23 24 28 30 31 32 33 34 35 36 37 43 44 45 50 51 52; U1001 1 2 3 4 5 6 7 14 15 16 17 19 20 21 22 EP; U1101 2; U1501 5 6 10 11 EP; Y701 2

## Via types
v1: diameter 0.5, hole 0.3, Top to Bottom, 1113 vias
v2: diameter 0.45, hole 0.3, Top to Bottom, 267 vias
v3: diameter 0.35, hole 0.2, Top to Bottom, 106 vias
v4: diameter 0.37, hole 0.22, Top to Bottom, 40 vias
v5: diameter 0.3, hole 0.2, Top to Bottom, 33 vias

## Routing (per net, layer and track width the routed paths; a pad name or vN(x,y) marks a point on that pad's centre or on a via; arc(x,y) is an arc through that point)
/Audio_Board/+5V: length 36.1
  Top w1.5: F502.2 87.68,39.92 93.25,45.49 J105.5
/Fret_Assembly/+3V3: length 19.8
  Top w0.4: U401.1 59.17,106.05 C303.2 58.01,107.9 C402.2 ; U401.1 58.6,106.62 C401.2 57.98,107.93 C402.2 ; U401.1 59.33,105.26 ; C402.2 57.56,108.35 J401.2 J401.1 54.85,111.2 54.85,114.71 55.33,115.19 D413.2 55.79,115.22 F401.2
/Fret_Assembly/+3V3_DEBUG: length 21.1
  Top w0.2: v1(55.1,124.23) 55.1,123.47 58.32,120.25 59.09,120.25 ; D415.5 57.55,133.16 v1(56.7,132.31)
  Top w0.4: v1(55.1,125.58) 55.1,128.8 56.7,130.4 v1(56.7,132.31) ; v1(55.84,133.81) 55.84,134.47 54.01,136.3
  Bottom w0.13: 157.36,216.88 157.36,218.22
  Bottom w0.2: 158.1,226.45 158.96,225.59 158.96,224.95
/Fret_Assembly/+3V3_EXT: length 2.7
  Top w0.4: J102.7 55.58,120.49 F401.1
/Fret_Assembly/+3V3_PROTECT: length 83.8
  Top w0.13: 57.36,118.16 54.72,118.16 54.31,117.75 54.31,116.24 53.57,115.49 v1(52.11,115.49)
  Top w0.2: 61.22,121.04 60.9,121.04 60.44,120.57 60.44,117.63 62.29,115.77 63.2,115.77 R409.1 ; 57.36,118.16 57.36,112.97 57.44,112.89 ; 51.55,115.38 51.66,115.49 v1(52.11,115.49) 52.11,116.12 R401.2 ; D417.4 68.46,139.27 v1(68.39,139.34)
  Top w0.3: 61.43,121.51 U402.4
  Top w0.4: J408.1 62.29,115.77 ; J408.2 59.09,111.97 59.09,112.9 59.09,112.89 D413.1 ; 61.22,121.04 C405.2 61.9,121.04 61.43,121.51 61.43,121.25 61.22,121.04
  Top w0.8: J408.2 J408.1
  Bottom w0.13: 154.36,208.14 153.83,208.67 152.53,208.67 ; 152.52,231.98 152.52,232.08 153.1,232.65 165.18,232.65 165.39,232.45
  Bottom w0.2: 152.61,213.04 152.53,212.96 152.53,208.67 ; 152.52,231.98 152.52,226.79 152.53,226.78
  Bottom w0.4: 152.53,226.78 152.61,226.71 152.61,213.04 ; 170.64,231.99 170.62,232.01 166.71,232.01 166.55,232.17 165.67,232.17 165.39,232.45
/Main_Board/3V3_PG: length 46.3
  Top w0.13: C801.2 26.58,137.14 20.75,137.14 18.74,135.14 18.74,133.26 17.3,131.81 16.79,131.81 13.56,128.58 v3(12.57,128.58)
  Top w0.2: R804.2 28.71,139.27 C801.2 ; PS501.2 11.02,115.97 10.68,115.63 v2(8.99,115.63) 8.52,115.63 R505.1 ; v2(5.49,120.07) 5.36,120.2 PS503.3
  In3.Cu w0.13: 147.94,32.74 147.94,35.06 151.4,38.52 151.6,38.52 154.33,41.25 155.02,41.25
  Bottom w0.25: 151.44,28.29 147.94,31.8 147.94,32.74
/Main_Board/+2V5: length 52.8
  Top w0.2: D501.4 3.4,117.07 2.62,116.29 1.57,116.29 1.14,116.72 ; C604.2 8.51,136.43 8.54,136.48 9.46,135.56 U601.A11
  Top w0.25: 1.14,116.72 1.14,121.6 PS503.5 1.32,123.91 1.27,123.96
  Top w0.3: v3(24.13,136.1) 24.13,133.92 25.45,132.6 25.45,129.89 R1201.1
  Top w0.8: C534.2 3.46,125.23 ; 3.46,125.23 3.46,123.5 ; 3.46,125.23 4.52,126.29 J603.1
  Top w1.3: J603.2 J603.1
  In2.Cu w0.09: 153.2,46.97 153.05,46.97 ; 153.2,48.97 153.05,49.12 152.84,49.12 152.77,49.19
  In2.Cu w0.2: 150.86,45.56 150.86,45.73 150.85,45.74 152.08,46.97 153.05,46.97 ; 152.36,51.86 152.36,51.69 152.36,51.69 152.36,49.6 152.77,49.19
  Bottom w0.09: 155.2,50.08 152.32,50.08 152.24,50.16 152.31,50.08
  Bottom w0.2: 161.55,50.44 155.51,50.44 155.2,50.14
  Bottom w0.3: 166.58,48.81 166.58,48.87 165.67,49.78 162.21,49.78 161.55,50.44
  vias: v2(7.59,126.78) v2(7.8,125.79) v2(8.23,136.48) v2(8.41,132.9) v2(9.91,139.2) v3(9.79,137.5) v5(10.76,136.31) v5(10.74,134.31)
/Main_Board/+3V3: length 137.7
  Top w0.13: C502.2 9.01,112.4 TP501.1 ; 13.62,133.59 C602.2 ; 15.39,133.47 J601.1
  Top w0.18: 12.19,135.49 11.61,135.49
  Top w0.2: v2(11.43,115.54) 11.43,115.77 11.52,115.86 PS501.3 11.52,116.8 11.12,117.19 v3(11,117.19) ; 29.66,133.31 29.07,133.9 MK1201.1 ; C703.2 20.1,122.14 v2(19.96,122.14) 20.11,122.14 20.34,121.92 U701.20 ; v2(24.66,125.87) 24.54,125.75 R702.2 ; 12.98,135.49 C603.2 13.62,133.59 ; C602.2 15.39,133.47 ; R505.2 8.13,114.1 v2(8.13,113.46) ; U701.46 18.34,112.99 17.74,112.39 v2(17.58,112.39) 17.59,112.38 C709.2 ; R501.2 6.6,114.07 v2(6.6,113.41) ; U601.D10 11.61,135.49
  Top w0.25: 12.19,135.49 12.19,135.48 12.2,135.49 12.98,135.49 ; v2(19.86,125.29) 19.94,125.21 R701.2
  Top w0.3: D801.4 32.3,119.68 32.82,120.2 v2(32.97,120.2)
  Top w0.4: C706.2 26.14,118.03 26.14,116.86 v2(26.03,116.76) L701.1 26.13,116.67 27.34,116.67 v2(27.43,116.76) 27.4,116.71 C705.2 27.45,116.67 28.66,116.67 v2(28.7,116.63) 28.72,116.65 C704.2
  Top w0.5: J701.2 J701.1
  Top w0.8: J601.1 J601.2
  Top w1.2: J1001.1 J1001.2 ; J1201.2 J1201.1 ; v2(43.07,108.52) J1101.2
  In2.Cu w0.2: 152.56,27.22 152.5,27.29 ; 160.03,26.13 160.38,26.49 161.78,26.49 ; 153.88,28.2 153.41,28.2 ; 167.11,38.53 166.66,38.98 163.34,38.98 162.31,37.95 ; 152.87,27.03 152.26,27.64 152.2,27.64 ; 171.03,29.42 171.15,29.29
  In2.Cu w0.25: 145.05,30.19 145.05,30.23
  In2.Cu w0.5: 145.05,30.23 146.41,31.59 145.96,32.03 145.96,33.59 145.94,33.6 145.94,34.39 146.01,34.45
  In2.Cu w0.6: 155.81,29.47 156.31,29.47 156.95,30.11 157.13,30.11 ; 155.81,29.38 155.27,28.84 153.88,28.84 ; 165.72,25.22 164.79,26.15 164.79,26.56 ; 149.45,33.37 150.33,34.25
  In2.Cu w0.7: 160.03,26.13 160.03,25.05 ; 157.13,27.13 157.13,27.07 158.17,26.03 159.29,26.03 ; 165.62,24.03 165.62,25.12 ; 164.79,26.56 164.63,26.73 164.63,27.43 165.62,28.42 165.62,30.42 166.05,30.86 167.67,30.86 168.51,30.02 168.51,29.66 168.64,29.54 170.91,29.54 171.03,29.42
  In2.Cu w0.8: 156.93,26.97 155.66,26.97 154.43,28.2 153.88,28.2 153.88,29.11 153.45,29.54 153.45,29.85 151.48,31.82 149.92,31.82 149.06,32.69 ; 153.41,28.2 151.28,26.07 149.06,26.07 ; 159.29,26.03 159.75,26.49 164.72,26.49 164.79,26.56 ; 149.06,32.69 149.06,32.98 149.45,33.37 ; 149.06,32.69 149.06,32.46 148.18,31.59 146.41,31.59 ; 152.56,24.65 152.56,27.22
  In3.Cu w0.2: 185.52,21.18 185.52,21.24 ; 174.73,32.03 174.58,32.03
  In3.Cu w0.5: 171.15,29.29 171.85,29.29 175.42,32.86
  In3.Cu w0.6: 185.52,21.24 174.73,32.03
  Bottom w0.2: 162.15,27.52 162.35,27.72 163.65,27.72 163.65,29.5 164.75,30.6 167.17,30.6 167.67,30.1 171.2,30.1 176.15,25.15
  vias: v1(166.41,30.94) v2(2.6,117.53) v2(3.5,120.92) v2(3.56,121.79) v2(3.56,119.32) v2(7.87,121.58) v2(9.75,114.98) v2(10.11,112.8) v2(10.11,111.98) v2(10.41,114.37) v2(13.36,116.81) v2(13.66,114.47) v2(14.68,117.45) v2(14.68,114.47) v2(17.14,134.92) v2(17.53,133.78) v2(17.53,133.14) v2(20.83,139.36) v2(20.83,138.22) v2(21.23,135.82) v2(21.23,133.73) v2(22.22,135.82) v2(22.22,133.73) v2(22.81,132.09) v2(23.27,112.56) v2(23.29,111.23) v2(28.21,128.41) v2(28.97,128.41) v2(43.97,106.26) v2(45.31,108.97) v2(45.34,108.03) v2(45.44,106.26) v2(47.27,106.21) v2(47.37,104.91) v3(16.69,129.03) v3(16.79,127.29) v3(17.78,130.65) v3(18.06,129.23)
/Main_Board/+3V3_EXT: length 23.3
  In2.Cu w0.8: 166.84,52.12 166.84,50.85 ; 166.84,51.46 183.24,51.46 186.49,54.7 187.56,54.7
  vias: v2(24.38,139.45) v2(24.38,138.18)
/Main_Board/+5V: length 14.4
  Top w0.2: 8.41,123.73 8.53,123.6 8.53,123.81 v2(8.46,123.88) ; PS502.A2 10.37,122.6 10.29,122.6 ; D501.6 1.8,118.06 2.29,118.55 5.54,118.55 6.98,120 6.98,123.12 v2(7.59,123.73)
  Top w0.4: 10.29,122.6 9.75,123.14 8.98,123.14
  Top w0.6: 8.53,123.6 8.53,123.4 9,122.94 C504.2 ; v2(7.59,123.73) 8.41,123.73
/Main_Board/Regulators/3V3_EN: length 53.4
  Top w0.13: v3(35.66,110.57) 35.21,111.02 R508.2
  Top w0.2: PS501.7 11.02,118.38 11.18,118.54 12.32,118.54 13.39,119.61 C507.1 13.77,119.48 v3(13.77,119.13) ; SW501.2 43.74,119.39 44.4,120.05 44.4,121.11 D507.1 39.39,116.25 39.39,114.3 v3(35.66,110.57)
  In2.Cu w0.13: 163.97,32.58 168.69,32.58 175.17,26.11 175.17,25.37 177.3,23.24 178.11,23.24
  Bottom w0.13: 163.97,32.58 163.13,33.42 159.04,33.42 157.41,31.8 156.22,31.8
  vias: v3(21.51,119.92)
/Tactile_Board/+3V3: length 130.4
  Top w0.13: 127.28,37.29 C301.2
  Top w0.2: 118.65,27.09 118.95,27.4 119.56,27.4 U1501.23 ; U1501.21 119.06,28.45 118.89,28.62 118.41,28.62 ; 110.67,21.4 110.4,21.14 ; 122.4,16.59 122.38,16.58 ; 114.13,27.35 114.63,27.85 ; 129.11,30.76 R1402.1
  Top w0.25: R1410.2 120.27,37.35
  Top w0.3: 117.79,27.09 C1501.2
  Top w0.4: 118.65,27.09 117.79,27.09 ; 118.41,28.62 C1503.2 ; R1502.2 110.67,21.4 ; D1501.4 122.4,16.59
  Top w0.5: R1409.1 115.85,35.88 115.83,35.86 ; 117.33,27.85 117.74,28.27 C1503.2 C1501.2 117.74,27.44 117.33,27.85 ; 117.33,27.85 117.3,27.83 114.66,27.83 114.63,27.85 ; 128.79,20.96 127.49,22.27 R1403.1 ; 120.27,37.35 120.27,35.88 ; J104.4 100.82,28.12 ; R1411.1 121.54,37.29 121.54,35.88
  Top w0.6: 112.07,19.47 114.86,19.47
  Top w0.8: 124.67,36.11 124.67,35.49 R1401.1 ; R1501.2 114.13,27.35 ; R1412.2 125.86,36.31 125.66,36.11 ; 127.28,36.11 127.28,37.29 ; 129.11,28.41 129.11,30.76
  Top w1: R1404.1 129.02,30.16 R1402.1 ; 124.86,35.96 124.31,35.96 124.18,35.83 ; 112.39,28.12 113.25,28.12 113.82,27.55 114.33,27.55 ; F301.2 104.12,41.14 108.66,41.14 113.95,35.86 117.4,35.86 ; 131.07,23.26 131.07,26.46 128.65,28.87 ; 119.33,35.88 122.28,35.88 ; 129.64,21.99 129.64,21.81 124.41,16.58 117.76,16.58 114.86,19.47 ; 127.28,36.11 124.67,36.11 ; J104.6 107.43,24.12 112.07,19.47
  Top w1.2: 100.82,29.78 100.82,28.12 ; 100.82,26.08 102.78,24.12 J104.6
  Top w1.3: J104.4 112.39,28.12
  Top w1.5: 100.82,26.08 100.82,37.83 F301.2
  Bottom w0.13: 281.47,34.05 280.51,33.09 ; 274.56,46.81 273.18,46.81 ; 269.71,46.81 268.35,46.81
  vias: v1(117.7,35.88) v1(119.06,35.88) v1(122.53,35.88) v1(123.91,35.88) v1(129.86,22.16) v1(130.83,23.12)
